# Altium PCB Dashcam_V2.0B.PcbDoc (part 4 of 8)
Units mil, origin at the board's own origin, x right, y up, seen from the top; angles counter-clockwise.
Board outline 3544.65 x 2560.37 mil, 8 copper layers (TOP, L2_GND, L3_IN1, L4_IN2, L5_PWR2, L6_PWR1, L7_GND_2, BOTTOM), stack 48.184 mil thick; 411 components, 365 nets, 2257 pads, 1045 vias.
Unrouted connection lines stored in the file: 2.
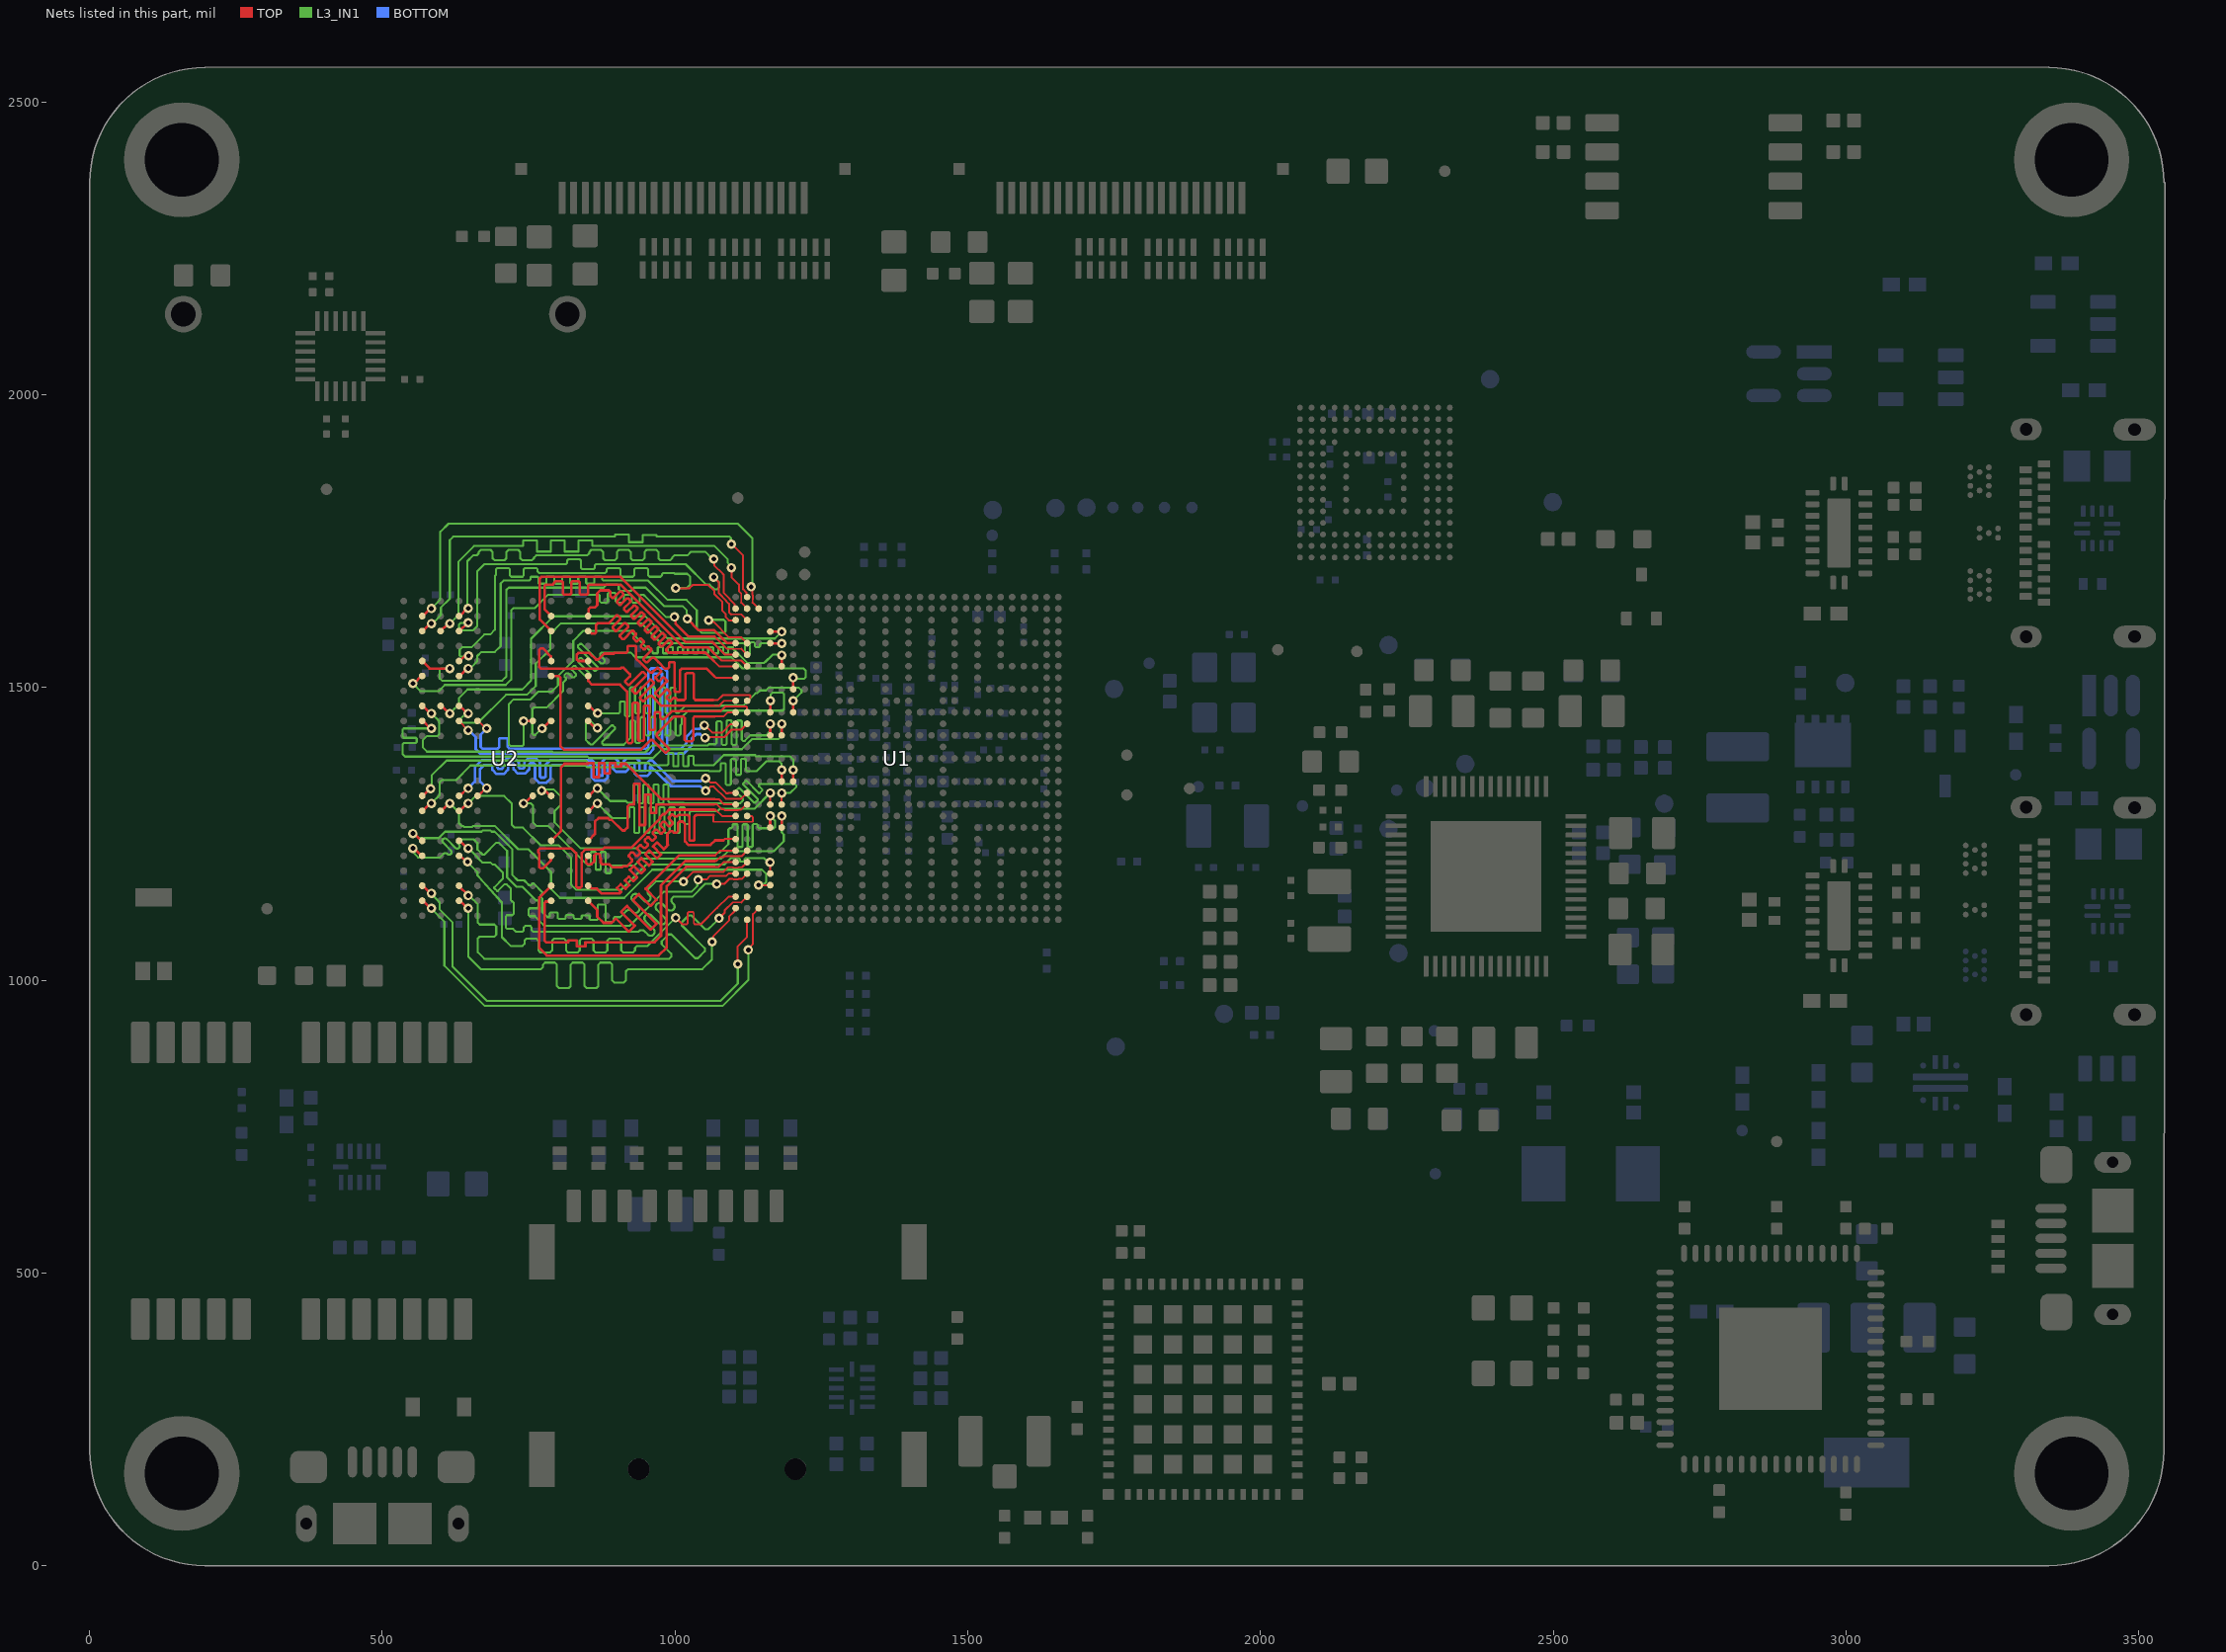
[diagram p10: the nets of this part, all layers, seen from the top]

## Via types
v1: diameter 15.98, hole 8, TOP to BOTTOM, tented both sides, 645 vias
v2: diameter 15.98, hole 7.99, TOP to BOTTOM, tented both sides, 382 vias
v3: diameter 15.98, hole 7.99, TOP to BOTTOM, 8 vias
v4: diameter 19.68, hole 7.87, TOP to BOTTOM, 6 vias
v5: diameter 19.68, hole 19.68, TOP to BOTTOM, 4 vias

## Nets (pads, with @x,y where several pads share a name; then routed paths per layer and width w, separated by ;. In a path a pad name is that pad's centre, name@x,y a point inside that pad or via, vN(x,y) a via of type N, cw(c..) or ccw(c..) an arc to the next point about the centre after c; other vN are vias at no path point) (continued)
DRAM_CA0_A: U1.L6 U2.R2 | length 900.9
  TOP w4.4: U2.R2@851.49,1468.51 853.32,1468.51 865.57,1456.26 v2(867.79,1456.26) ; U1.L6@1201.88,1457.68 v2(1201.88,1477.36)
  L3_IN1 w3.6: v2@869,1456 902,1456 903.8,1456 905.91,1458.11 905.91,1474.49 907.63,1476.21 912.79,1476.21 914.51,1474.49 914.51,1452.3 916.23,1450.58 921.39,1450.58 923.11,1452.3 923.11,1498.74 924.83,1500.46 929.99,1500.46 931.71,1498.74 931.71,1457.72 933.43,1456 938.59,1456 940.31,1457.72 940.31,1498.74 942.03,1500.46 947.19,1500.46 948.91,1498.74 948.91,1457.72 950.63,1456 955.79,1456 957.51,1457.72 957.51,1498.74 959.23,1500.46 964.39,1500.46 966.11,1498.74 966.11,1457.72 967.83,1456 972.99,1456 974.71,1457.72 974.71,1498.74 976.43,1500.46 981.59,1500.46 983.31,1498.74 983.31,1457.72 985.03,1456 990.19,1456 991.91,1457.72 991.91,1498.05 993.63,1499.77 998.79,1499.77 1000.51,1498.05 1000.51,1458.71 1002.62,1456.6 1005.6,1456.6 1018,1469 1116.37,1469 1137.53,1490.16 1140.16,1490.16 1145,1495 1155.5,1495 1160.5,1500 1211,1500 1216,1495 1216,1491.48 v2(1201.88,1477.36)
DRAM_CA0_B: U1.W4 U2.H2 | length 848.8
  TOP w3.35: U1.W4@1162.14,1299.68 1162.51,1300.05 U1.W4@1162.51,1300.2 v2(1162.51,1319.88)
  TOP w4.4: U2.H2@851.14,1290.68 854.27,1290.68 865.76,1302.17 v2(867.24,1302.17) ; U2.H2@851.49,1289.37 U2.H2@852.96,1289.37
  L3_IN1 w3.6: v2@868,1300 869.4,1300 892.4,1277 918,1277 919.8,1277 921.91,1279.11 921.91,1294.4 923.2,1295.69 929.22,1295.69 930.51,1294.4 930.51,1252.89 931.8,1251.6 937.82,1251.6 939.11,1252.89 939.11,1294.4 940.4,1295.69 946.42,1295.69 947.71,1294.4 947.71,1252.89 949,1251.6 955.02,1251.6 956.31,1252.89 956.31,1294.4 957.6,1295.69 963.62,1295.69 964.91,1294.4 964.91,1252.89 966.2,1251.6 972.22,1251.6 973.51,1252.89 973.51,1294.4 974.8,1295.69 980.82,1295.69 982.11,1294.4 982.11,1252.89 983.4,1251.6 989.42,1251.6 990.71,1252.89 990.71,1294.4 992,1295.69 998.02,1295.69 999.31,1294.4 999.31,1252.76 1000.6,1251.47 1006.62,1251.47 1007.91,1252.76 1007.91,1294.11 1009.2,1295.4 1015.22,1295.4 1016.51,1294.11 1016.51,1268.32 1017.8,1267.03 1023.82,1267.03 1025.11,1268.32 1025.11,1286.89 1027.22,1289 1042.57,1289 1073,1289 1077,1293 1135.63,1293 v2(1162.51,1319.88)
DRAM_CA1_A: U1.L4 U2.P2 | length 925.7
  TOP w4.4: U2.P2@851.49,1442.92 861.32,1433.09 867.16,1433.09 v2@867.7,1432.55 ; U1.L4@1162.51,1457.68 1162.63,1457.8 1162.63,1477.25 v2(1162.75,1477.36)
  L3_IN1 w3.6: v2(867.24,1430.99) 853.09,1445.13 850.11,1445.13 848,1443.02 848,1410 853.5,1404.5 854.77,1403.23 855.57,1402.43 858.56,1402.43 891.3,1435.17 893.74,1435.17 897.38,1431.52 897.38,1429.09 875.66,1407.37 875.66,1404.39 877.77,1402.28 885.28,1402.28 912.28,1402.28 913.28,1403.28 923.38,1413.38 923.38,1441.71 925.96,1444.29 929.4,1444.29 931.98,1441.71 931.98,1407.49 934.56,1404.91 938,1404.91 940.58,1407.49 940.58,1446.98 943.16,1449.56 946.6,1449.56 949.18,1446.98 949.18,1420.18 951.76,1417.6 955.2,1417.6 957.78,1420.18 957.78,1446.98 960.36,1449.56 963.8,1449.56 966.38,1446.98 966.38,1420.18 968.96,1417.6 972.4,1417.6 974.98,1420.18 974.98,1446.98 977.56,1449.56 981,1449.56 983.58,1446.98 983.58,1420.18 986.16,1417.6 989.6,1417.6 992.18,1420.18 992.18,1447.13 994.76,1449.71 998.2,1449.71 1000.78,1447.13 1000.78,1420.18 1003.36,1417.6 1006.8,1417.6 1009.38,1420.18 1009.38,1435.38 1011.18,1437.18 1011.18,1449.18 1022.6,1460.6 1183.89,1460.6 1186,1462.71 1186,1488.89 1183.89,1491 1166,1491 1163.43,1488.43 1163.43,1478.04 v2(1162.75,1477.36)
DRAM_CA1_B: U1.W5 U2.J2 | length 812.5
  TOP w3.35: v2(1182.2,1319.88) 1182.2,1300.62 U1.W5@1183.14,1299.68
  TOP w4.4: U2.J2@851.49,1314.96 U2.J2@852.96,1314.96 ; U2.J2@852.14,1316.68 852.38,1316.43 854.44,1316.43 865.76,1327.76 v2(867.24,1327.76)
  L3_IN1 w3.6: v2@868,1328 868,1326.99 888.99,1306 909,1306 916,1306 919,1303 926.55,1303 928.66,1305.11 928.66,1333.17 929.95,1334.46 935.97,1334.46 937.26,1333.17 937.26,1303.58 938.55,1302.29 944.57,1302.29 945.86,1303.58 945.86,1333.17 947.15,1334.46 953.17,1334.46 954.46,1333.17 954.46,1303.58 955.75,1302.29 961.77,1302.29 963.06,1303.58 963.06,1333.17 964.35,1334.46 970.37,1334.46 971.66,1333.17 971.66,1303.58 972.95,1302.29 978.97,1302.29 980.26,1303.58 980.26,1333.17 981.55,1334.46 987.57,1334.46 988.86,1333.17 988.86,1305.11 990.97,1303 1001.37,1303 1014,1303 1015,1302 1111,1302 1114,1305 1116.09,1307.09 1116.09,1310.08 1103.86,1322.31 1103.86,1323.53 1108.72,1328.39 1109.94,1328.39 1135.21,1303.13 1136.42,1303.13 1141.29,1307.99 1141.29,1309.21 1116.02,1334.47 1116.02,1335.69 1120.89,1340.55 1122.1,1340.55 1143.03,1319.62 1144.25,1319.62 1149.11,1324.49 1149.11,1325.7 1143.4,1331.42 1143.4,1334.4 1144,1335 1145.35,1335 1204.8,1335 1206.91,1332.89 1206.91,1329.91 1196.88,1319.88 v2(1182.2,1319.88)
DRAM_CA2_A: U1.E4 U2.R9 | length 782.2
  TOP w4.4: U2.R9@631.02,1468.51 632.49,1468.51 645.29,1455.71 v2(646.76,1455.71) ; U1.E4@1162.51,1575.79 1162.75,1575.55 1181.96,1575.55 v2(1182.2,1575.32)
  L3_IN1 w3.6: v2(646.76,1455.71) 643.41,1455.71 639.57,1451.87 638.87,1451.87 631.85,1444.85 631.85,1441.87 633.96,1439.76 663.22,1439.76 711.14,1487.68 747.14,1487.68 762.14,1502.68 762.14,1540.68 787.14,1565.68 787.14,1591.68 805.14,1609.68 942.14,1609.68 976.03,1575.79 998,1575.79 1117.18,1575.79 1119.29,1573.68 1119.29,1558.64 1121.01,1556.92 1126.17,1556.92 1127.89,1558.64 1127.89,1575.36 1129.61,1577.08 1134.77,1577.08 1136.49,1575.36 1136.49,1570.62 1138.21,1568.9 1143.37,1568.9 1145.09,1570.62 1145.09,1573.68 1147.2,1575.79 1149,1575.79 1181.73,1575.79 v2(1182.2,1575.32)
DRAM_CA2_B: U1.AE4 U2.H9 | length 710
  TOP w3.35: v2(1162.28,1201.53) 1162.4,1201.42 1162.4,1182.21 U1.AE4@1162.51,1182.09
  TOP w4.4: U2.H9@631.02,1289.37 U2.H9@632.49,1289.37 ; U2.H9@631.14,1289.68 632.8,1289.68 645.29,1302.17 v2(646.76,1302.17)
  L3_IN1 w3.6: v2(646.76,1302.17) 659.28,1314.68 708.14,1314.68 721.14,1301.68 721.14,1265.68 726.14,1260.68 740.14,1260.68 770.14,1230.68 801.14,1230.68 822.14,1209.68 822.14,1163.68 831.14,1154.68 908.14,1154.68 951.14,1197.68 1084.14,1197.68 1095.14,1208.68 1098,1208.68 1108.4,1208.68 1110.51,1206.57 1110.51,1204.03 1111.8,1202.74 1117.82,1202.74 1119.11,1204.03 1119.11,1206.57 1121.22,1208.68 1137.76,1208.68 1151.72,1208.68 1158.86,1201.53 v2(1162.28,1201.53)
DRAM_CA3_A: U1.D4 U2.R10 | length 744.9
  TOP w4.4: U2.R10@599.52,1468.51 600.99,1468.51 613.79,1455.71 v2(615.27,1455.71) ; U1.D4@1162.51,1595.47 1162.63,1595.36 1182.08,1595.36 v2(1182.2,1595.24)
  L3_IN1 w3.6: v2@618.14,1454.68 618.14,1458.58 631.14,1471.58 631.14,1482.14 645.68,1496.68 739.14,1496.68 754.14,1511.68 754.14,1583.14 792.68,1621.68 949.14,1621.68 987.14,1583.68 1092,1583.68 1162,1583.68 1170.4,1583.68 1181.96,1595.24 v2(1182.2,1595.24)
DRAM_CA3_B: U1.AF4 U2.H10 | length 732.4
  TOP w3.35: v2(1142.83,1162.64) 1142.95,1162.52 1162.4,1162.52 U1.AF4@1162.51,1162.4
  TOP w4.4: U2.H10@598.14,1291.68 598.97,1290.84 602.47,1290.84 613.79,1302.17 v2(615.27,1302.17) ; U2.H10@599.52,1289.37 U2.H10@601,1289.37
  L3_IN1 w3.6: v2(615.27,1302.17) 631.14,1286.29 631.14,1283.96 631,1283.82 631,1270.83 631.14,1270.69 631.14,1267.68 635.14,1263.68 638.15,1263.68 640.18,1261.65 653.16,1261.65 655.19,1263.68 692.14,1263.68 732.14,1223.68 749.44,1223.68 788.14,1184.97 788.14,1155.68 803.14,1140.68 913.14,1140.68 961.14,1188.68 1148.32,1188.68 1156,1181 1156,1167.98 1152.61,1164.59 1144.78,1164.59 v2(1142.83,1162.64)
DRAM_CA4_A: U1.N4 U2.R11 | length 975.6
  TOP w4.4: U2.R11@568.03,1468.51 569.5,1468.51 582.3,1455.71 v2(583.77,1455.71) ; U1.N4@1162.51,1418.31 v2(1162.51,1437.99)
  L3_IN1 w3.6: v2@584,1455.48 597,1442.48 597,1420 594.33,1417.33 576.33,1417.33 569,1410 569,1397.92 576.44,1390.48 790.58,1390.48 791.98,1389.08 949.08,1389.08 961.29,1401.29 1056.18,1401.29 1057.89,1403 1067,1403 1068.8,1403 1070.91,1405.11 1070.91,1440.61 1072.63,1442.33 1077.79,1442.33 1079.51,1440.61 1079.51,1403.78 1081.23,1402.06 1086.39,1402.06 1088.11,1403.78 1088.11,1442.44 1089.83,1444.16 1094.99,1444.16 1096.71,1442.44 1096.71,1403.78 1098.43,1402.06 1103.59,1402.06 1105.31,1403.78 1105.31,1441.85 1107.03,1443.57 1112.19,1443.57 1113.91,1441.85 1113.91,1410.98 1116.02,1408.87 1119,1408.87 1128.41,1418.28 1136.77,1418.28 1155.28,1418.28 1161.6,1424.6 1161.6,1437.08 v2(1162.51,1437.99)
DRAM_CA4_B: U1.U5 U2.H11 | length 861
  TOP w4.4: U2.H11@568.03,1289.37 569.5,1289.37 582.3,1302.17 v2(583.77,1302.17) ; U1.U5@1182.2,1339.57 v2(1182.2,1359.25)
  L3_IN1 w3.6: v2@585,1302 585,1303.39 598,1316.39 598,1338 602,1342 626,1342 650.74,1366.74 846.93,1366.74 850.07,1363.6 926.23,1363.6 932.09,1357.74 1057.31,1357.74 1058.05,1357 1074.23,1357 1076.03,1357 1078.14,1359.11 1078.14,1369.05 1079.43,1370.34 1085.45,1370.34 1086.74,1369.05 1086.74,1334.96 1088.03,1333.67 1094.05,1333.67 1095.34,1334.96 1095.34,1376.66 1096.63,1377.95 1102.65,1377.95 1103.94,1376.66 1103.94,1352.16 1105.23,1350.87 1111.25,1350.87 1112.54,1352.16 1112.54,1376.66 1113.83,1377.95 1119.85,1377.95 1121.14,1376.66 1121.14,1359.11 1123.25,1357 1132,1357 1139,1357 1156,1374 1178,1374 1181.6,1370.4 1181.6,1359.85 v2(1182.2,1359.25)
DRAM_CA5_A: U1.N5 U2.P11 | length 860.1
  TOP w4.4: U2.P11@568.03,1442.92 569.5,1442.92 582.3,1430.12 v2(583.77,1430.12) ; U1.N5@1182.2,1418.31 v2(1182.2,1437.99)
  L3_IN1 w3.6: v2@581.7,1429.55 581.13,1430.12 536.66,1430.12 534.7,1428.16 534.7,1423 534.7,1416.15 536.81,1414.04 557.03,1414.04 558.75,1412.32 558.75,1407.16 557.03,1405.44 536.81,1405.44 534.7,1403.34 534.7,1392.94 534.7,1386.07 538.82,1381.96 850.38,1381.96 852.93,1379.4 962.55,1379.4 977.84,1394.69 1114.16,1394.69 1131.14,1411.68 1176.14,1411.68 1181.14,1416.68 v2@1181.14,1437.68
DRAM_CA5_B: U1.U6 U2.J11 | length 838.6
  TOP w4.4: U2.J11@568.03,1314.96 569.18,1314.96 581.51,1327.29 v2(582.66,1327.29) ; U1.U6@1201.88,1339.57 v2(1201.88,1359.25)
  L3_IN1 w3.6: v2(582.66,1327.29) 584.14,1328.77 584.14,1349.68 609.82,1375.36 847.64,1375.36 852,1371 955,1371 959.04,1366.96 984.48,1366.96 986.28,1366.96 988.39,1369.07 988.39,1387.23 989.25,1388.09 996.13,1388.09 996.99,1387.23 996.99,1366.14 997.85,1365.28 1004.73,1365.28 1005.59,1366.14 1005.59,1387.23 1006.45,1388.09 1013.33,1388.09 1014.19,1387.23 1014.19,1366.14 1015.05,1365.28 1021.93,1365.28 1022.79,1366.14 1022.79,1382.25 1023.65,1383.11 1030.53,1383.11 1031.39,1382.25 1031.39,1369.07 1033.5,1366.96 1041,1366.96 1065.43,1366.96 1083.02,1384.55 1136.72,1384.55 1138.83,1382.44 1196.56,1382.44 1201.88,1377.12 v2(1201.88,1359.25)
DRAM_CK_A_N: U1.V1 U2.J9 | length 744.6
  TOP w3.39: U2.J9@631.02,1314.96 632.49,1314.96 645.29,1327.76 v2(646.76,1327.76) ; v2(1052.02,1344.95) 1053.39,1344.95 1060.3,1338.04 1069.22,1338.04 1087.74,1319.52 1090.55,1319.52 1090.91,1319.88 U1.V1@1103.46,1319.88
  BOTTOM w4.6: v2@646.76,1326.7 v2(646.76,1327.76) 658.2,1339.19 658.2,1364.2 669.84,1375.84 670.03,1375.84 688.75,1375.84 696.49,1368.11 696.49,1362.9 698.41,1360.98 704.17,1360.98 706.09,1362.9 706.09,1372.44 713.04,1379.4 725.93,1379.4 732.89,1372.44 732.89,1363.7 734.81,1361.78 740.57,1361.78 742.49,1363.7 742.49,1372.44 749.44,1379.4 762.33,1379.4 769.29,1372.44 769.29,1347.89 771.21,1345.97 776.97,1345.97 778.89,1347.89 778.89,1368.11 786.62,1375.84 795,1375.84 835.97,1375.84 858.75,1375.84 866.49,1368.11 866.49,1349.65 876.09,1349.65 876.09,1374.36 881.12,1379.4 897.85,1379.4 902.89,1374.36 902.89,1364.96 912.49,1364.96 912.49,1374.36 917.52,1379.4 934.25,1379.4 939.29,1374.36 939.29,1357.57 948.89,1357.57 948.89,1368.11 956.62,1375.84 960.32,1375.84 965,1371.16 996.02,1340.14 1019.02,1340.14 1039,1340.14 1044.13,1340.14 1048.93,1344.95 v2(1052.02,1344.95)
DRAM_CK_A_P: U1.V2 U2.J8 | length 756.5
  TOP w3: 1086.82,1310 1113.26,1310
  TOP w3.39: U2.J8@662.52,1314.96 663.73,1314.96 677.05,1328.28 v2(678.26,1328.28) ; v2(1052.29,1323.56) 1054.38,1323.56 1054.38,1324.46 1060.57,1330.66 1066.16,1330.66 1086.82,1310 ; 1113.26,1310 U1.V2@1123.14,1319.88
  BOTTOM w4.6: v2@678.26,1327.76 v2@680.42,1327.76 ; v2(678.26,1328.28) 677.74,1328.28 666.8,1339.22 666.8,1360.63 670.03,1363.87 673.4,1367.24 685.19,1367.24 687.89,1364.55 687.89,1359.34 694.84,1352.38 707.73,1352.38 714.69,1359.34 714.69,1368.88 716.61,1370.8 722.37,1370.8 724.29,1368.88 724.29,1360.13 731.24,1353.18 744.13,1353.18 751.09,1360.13 751.09,1368.88 753.01,1370.8 758.77,1370.8 760.69,1368.88 760.69,1344.32 767.64,1337.37 780.53,1337.37 787.49,1344.32 787.49,1364.55 790.18,1367.24 795,1367.24 835.97,1367.24 855.19,1367.24 857.89,1364.55 857.89,1346.09 862.92,1341.05 879.65,1341.05 884.69,1346.09 884.69,1370.8 894.29,1370.8 894.29,1361.4 899.32,1356.36 916.05,1356.36 921.09,1361.4 921.09,1370.8 930.69,1370.8 930.69,1354.01 935.72,1348.97 952.45,1348.97 957.49,1354.01 957.49,1364.55 958.47,1365.53 965,1359 992.46,1331.54 1042.32,1331.54 1050.3,1323.56 v2(1052.29,1323.56)
DRAM_CK_B_N: U1.M2 U2.P9 | length 823.4
  TOP w3: 1096.65,1428 1099.42,1428 1107.48,1428.02 1113.15,1428
  TOP w3.39: U2.P9@631.02,1442.92 631.02,1442.81 646.76,1427.07 v2(646.76,1426.97) ; v2(1051.26,1414.46) 1052.08,1415.28 1083.93,1415.28 1096.65,1428 ; 1113.15,1428 1121.83,1436.68 U1.M2@1122.14,1436.68
  BOTTOM w4.6: v2(646.76,1426.97) 647.81,1426.97 659.44,1415.33 659.44,1394.73 667.17,1387 947,1387 955.38,1387 963.11,1394.73 963.11,1523.86 977.71,1523.86 977.71,1394.73 985.45,1387 994.06,1387 1014.37,1387 1028.55,1401.18 1028.55,1412.66 1036.37,1420.48 1042.87,1420.48 1048.89,1414.46 v2(1051.26,1414.46)
DRAM_CK_B_P: U1.M1 U2.P8 | length 828.9
  TOP w3.39: U2.P8@662.52,1442.92 663.97,1442.92 676.81,1430.07 v2(678.26,1430.07) ; v2(1050.14,1435.5) 1051.32,1435.5 1064.27,1422.55 1080.02,1422.55 1094.84,1437.38 U1.M1@1103.84,1437.38
  BOTTOM w4.6: v2@678.9,1429.44 v2(678.26,1430.07) 678.26,1429.45 668.04,1419.23 668.04,1398.29 670.74,1395.6 681,1395.6 697.11,1395.6 699.8,1398.29 699.8,1411.84 701.26,1413.3 712.94,1413.3 714.4,1411.84 714.4,1398.29 717.1,1395.6 734,1395.6 947,1395.6 951.82,1395.6 954.51,1398.29 954.51,1527.42 959.55,1532.46 981.28,1532.46 986.31,1527.42 986.31,1398.29 989.01,1395.6 994.06,1395.6 1010.24,1395.6 1019.55,1404.91 1019.55,1416.39 1032.64,1429.48 1041.75,1429.48 1047.77,1435.5 v2(1050.14,1435.5) ; v2@679.14,1429.68 v2@681.99,1432.53
DRAM_CKE0_A: U1.J6 U2.P4 | length 900.1
  TOP w4.4: v2(772.74,1430.28) 774.3,1430.28 786.93,1442.91 U2.P4@788.5,1442.92 ; U1.J6@1201.88,1497.05 v2(1201.88,1516.73)
  L3_IN1 w3.6: v2(772.74,1430.28) 761.46,1419 758.25,1419 756.14,1421.11 756.14,1463.57 758.25,1465.68 780.68,1465.68 809,1494 809,1508.54 812.23,1511.77 813.51,1513.04 813.51,1516.08 811.21,1518.37 811.21,1521.41 814.25,1524.45 817.29,1524.45 824.53,1517.22 827.57,1517.22 830.61,1520.26 830.61,1523.3 823.37,1530.54 823.37,1533.58 826.42,1536.62 829.46,1536.62 849.62,1516.45 852.66,1516.45 855.7,1519.5 855.7,1522.54 834.26,1543.98 834.26,1547.02 837.3,1550.06 840.34,1550.06 861.78,1528.62 864.82,1528.62 867.86,1531.66 867.86,1534.7 834.26,1568.3 834.26,1571.34 837.3,1574.38 840.34,1574.38 873.94,1540.78 876.98,1540.78 880.02,1543.82 880.02,1546.86 872.19,1554.69 872.19,1557.73 874.34,1559.88 878.12,1559.88 923.94,1559.88 932.14,1551.68 1096.14,1551.68 1115.14,1532.68 1219.14,1532.68 1223.14,1528.68 1223.14,1517.68 1220.14,1514.68 1204.14,1514.68 v2@1203.14,1515.68
  BOTTOM w4.4: v2(772.74,1430.28) v2@774.82,1432.36
DRAM_CKE0_B: U1.AA4 U2.J4 | length 730.5
  TOP w4.4: v2@778.57,1323.05 786.66,1314.96 U2.J4@788.5,1314.96 ; U1.AA4@1162.51,1260.83 v2(1162.51,1280.51)
  L3_IN1 w3.6: v2@774.14,1323.68 776.14,1325.68 793.14,1325.68 805.14,1313.68 805.14,1299.68 794.14,1288.68 794.14,1269.68 838.14,1225.68 935.14,1225.68 943.14,1217.68 1076.14,1217.68 1091.14,1232.68 1091.14,1257.57 1093.25,1259.68 1094.28,1259.68 1096.08,1259.68 1098.19,1261.79 1098.19,1265.11 1099.48,1266.4 1105.5,1266.4 1106.79,1265.11 1106.79,1228.95 1108.08,1227.66 1114.1,1227.66 1115.39,1228.95 1115.39,1265.11 1116.68,1266.4 1122.7,1266.4 1123.99,1265.11 1123.99,1228.95 1125.28,1227.66 1131.3,1227.66 1132.59,1228.95 1132.59,1265.28 1133.88,1266.57 1139.9,1266.57 1141.19,1265.28 1141.19,1261.79 1143.29,1259.68 1149,1259.68 1168.89,1259.68 1171,1261.79 1171,1272.03 v2(1162.51,1280.51)
  other v2: 772.22,1324.07
DRAM_CKE1_A: U1.G5 U2.P5 | length 895.6
  TOP w4.4: v2(741.25,1442.91) U2.P5@757,1442.92 ; U1.G5@1182.2,1536.42 v2(1182.2,1555.39)
  L3_IN1 w3.6: v2(741.25,1442.91) 741.25,1402.11 739.14,1400 719,1400 716.14,1402.86 716.14,1471.68 724.14,1479.68 753.14,1479.68 766.35,1492.88 789.35,1492.88 800.14,1503.68 800.14,1519.68 826.14,1545.68 826.14,1579.68 843.14,1596.68 923.14,1596.68 944.28,1575.54 956.14,1563.68 958.28,1563.68 cw(c958.28,1560.08) 961.88,1560.08 961.88,1560 ccw(c963.6,1560) 963.6,1558.28 968.76,1558.28 ccw(c968.76,1560) 970.48,1560 970.48,1567.47 cw(c972.2,1567.47) 972.2,1569.19 977.36,1569.19 cw(c977.36,1567.47) 979.08,1567.47 979.08,1560 ccw(c980.8,1560) 980.8,1558.28 985.96,1558.28 ccw(c985.96,1560) 987.68,1560 987.68,1567.47 cw(c989.4,1567.47) 989.4,1569.19 994.56,1569.19 cw(c994.56,1567.47) 996.28,1567.47 996.28,1560 ccw(c998,1560) 998,1558.28 1003.16,1558.28 ccw(c1003.16,1560) 1004.88,1560 1004.88,1567.47 cw(c1006.6,1567.47) 1006.6,1569.19 1011.76,1569.19 cw(c1011.76,1567.47) 1013.48,1567.47 1013.48,1560 ccw(c1015.2,1560) 1015.2,1558.28 1020.36,1558.28 ccw(c1020.36,1560) 1022.08,1560 1022.08,1567.47 cw(c1023.8,1567.47) 1023.8,1569.19 1028.96,1569.19 cw(c1028.96,1567.47) 1030.68,1567.47 1030.68,1560 ccw(c1032.4,1560) 1032.4,1558.28 1037.56,1558.28 ccw(c1037.56,1560) 1039.28,1560 1039.28,1567.47 cw(c1041,1567.47) 1041,1569.19 1046.16,1569.19 cw(c1046.16,1567.47) 1047.88,1567.47 1047.88,1560 ccw(c1049.6,1560) 1049.6,1558.28 1054.76,1558.28 ccw(c1054.76,1560) 1056.48,1560 1056.48,1567.47 cw(c1058.2,1567.47) 1058.2,1569.19 1063.36,1569.19 cw(c1063.36,1567.47) 1065.08,1567.47 1065.08,1560 ccw(c1066.8,1560) 1066.8,1558.28 1071.96,1558.28 ccw(c1071.96,1560) 1073.68,1560 1073.68,1567.47 cw(c1075.4,1567.47) 1075.4,1569.19 1080.56,1569.19 cw(c1080.56,1567.47) 1082.28,1567.47 1082.28,1560 ccw(c1084,1560) 1084,1558.28 1089.16,1558.28 ccw(c1089.16,1560) 1090.88,1560 1090.88,1567.47 cw(c1092.6,1567.47) 1092.6,1569.19 1097.76,1569.19 cw(c1097.76,1567.47) 1099.48,1567.47 1099.48,1567.13 ccw(c1103.08,1567.15) 1101.03,1564.19 1102.7,1563.04 cw(c1100.65,1560.08) 1103.18,1562.64 1108.08,1557.74 1124.14,1541.68 1152.14,1541.68 1154,1543.54 1166.57,1556.1 1181.49,1556.1 v2(1182.2,1555.39)
DRAM_CKE1_B: U1.AA5 U2.J5 | length 732.6
  TOP w4.4: v2(741.25,1302.17) 742.73,1302.17 755.52,1314.96 U2.J5@757,1314.96 ; U1.AA5@1182.2,1260.83 v2(1182.2,1280.51)
  L3_IN1 w3.6: v2(741.25,1302.17) 753.83,1302.17 757.14,1298.86 757.14,1269.68 763.14,1263.68 783.32,1263.68 851.32,1195.68 852,1195.68 853.8,1195.68 855.91,1197.79 855.91,1217.79 857.2,1219.08 863.22,1219.08 864.51,1217.79 864.51,1190.08 865.8,1188.79 871.82,1188.79 873.11,1190.08 873.11,1217.79 874.4,1219.08 880.42,1219.08 881.71,1217.79 881.71,1184.26 883,1182.97 889.02,1182.97 890.31,1184.26 890.31,1193.57 892.42,1195.68 899.1,1195.68 930.14,1195.68 942.14,1207.68 1078.14,1207.68 1091.14,1220.68 1169.14,1220.68 1185.76,1237.29 1185.76,1248.91 1182.2,1252.47 v2(1182.2,1280.51)
DRAM_DATA0_A: U1.B3 U2.AA11 | length 832.3
  TOP w3: 1132.42,1645.25 1132.42,1650.07 1132.85,1650.51 1132.85,1657.6 1132.42,1658.04
  TOP w3.35: v2(1130,1672) 1132.42,1669.58 1132.42,1658.04 ; 1132.42,1645.25 U1.B3@1142.83,1634.84
  TOP w4.4: U2.AA11@568.03,1622.05 569.5,1622.05 582.13,1634.68 v2@583.14,1634.68